# KiCad board klofi.kicad_pcb
title: Klofi; date: 2025-11-14; rev: 1; company: citizenanalog
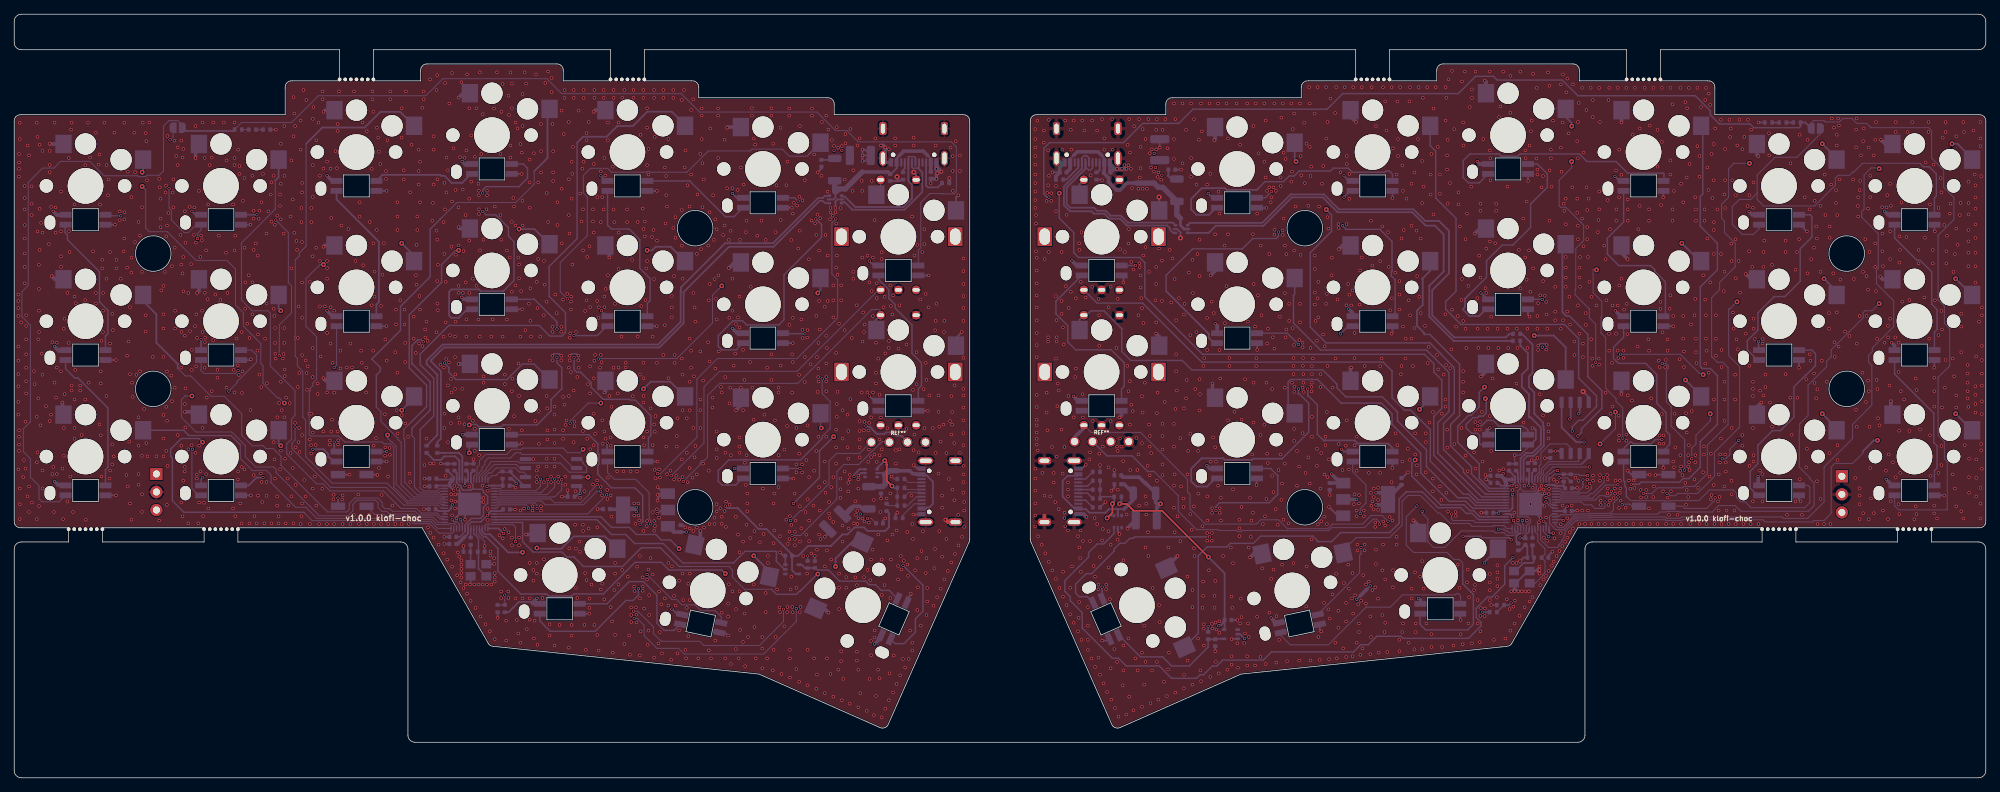
[diagram p0: board, top side]
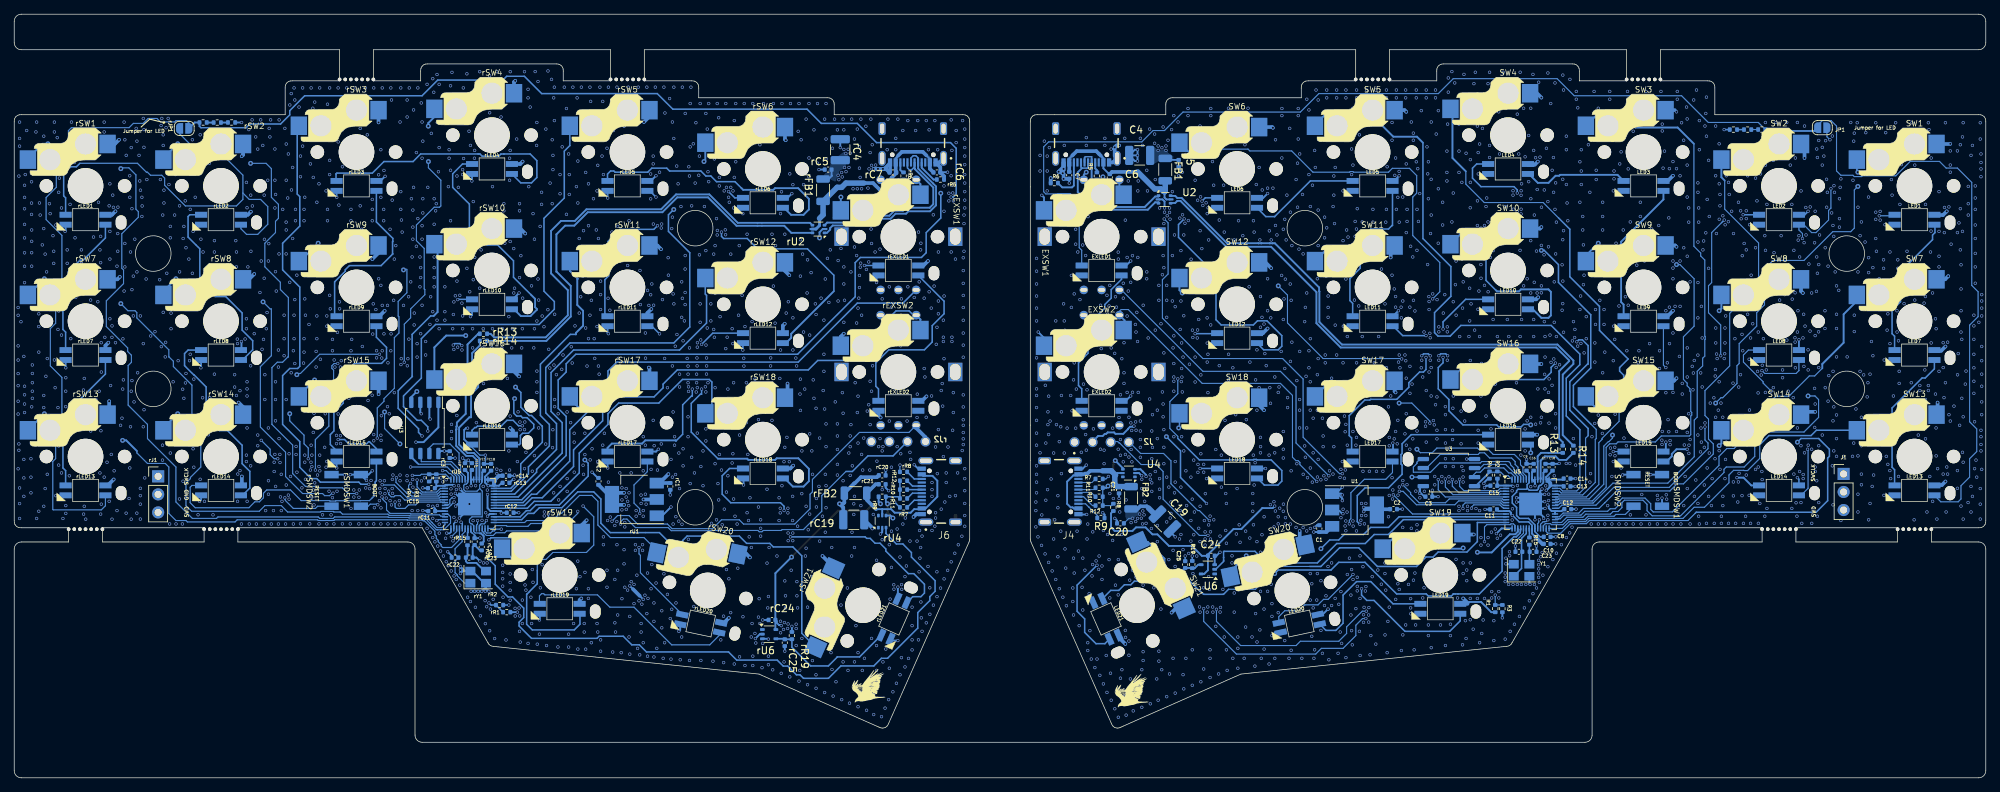
[diagram p1: board, bottom side, seen from below]

Outline 277.23 x 107.49 mm; copper layers: Front, In1.Cu, In2.Cu, Back. Coordinates in mm from the lower left corner of the outline.
Outline path: circle c19.55,73.8 r2.5 ; circle c19.55,54.75 r2.5 ; circle c95.75,77.37 r2.5 ; circle c95.75,38.08 r2.5 ; circle c181.48,77.37 r2.5 ; circle c181.48,38.08 r2.5 ; circle c257.68,73.8 r2.5 ; circle c257.68,54.75 r2.5 ; 0,92.35 0,36.2 ; 1,35.2 7.65,35.2 7.65,33.2 1,33.2 arc(0.29,32.91) 0,32.2 0,1 arc(0.29,0.29) 1,0 276.23,0 arc(276.93,0.29) 277.23,1 277.23,32.2 arc(276.93,32.91) 276.23,33.2 269.58,33.2 269.58,35.2 276.23,35.2 ; 38.1,97.11 38.1,93.35 1,93.35 ; 39.1,98.11 45.75,98.11 45.75,102.49 1,102.49 arc(0.29,102.79) 0,103.49 0,106.49 arc(0.29,107.2) 1,107.49 276.23,107.49 arc(276.93,107.2) 277.23,106.49 277.23,103.49 arc(276.93,102.79) 276.23,102.49 231.48,102.49 231.48,98.11 238.13,98.11 ; 57.15,99.49 57.15,98.11 50.5,98.11 50.5,102.49 83.85,102.49 83.85,98.11 77.2,98.11 77.2,99.49 ; 66.61,19 57.36,35.2 31.45,35.2 31.45,33.2 54.36,33.2 arc(55.07,32.91) 55.36,32.2 55.36,6 arc(55.65,5.29) 56.36,5 219.87,5 arc(220.57,5.29) 220.87,6 220.87,32.2 arc(221.16,32.91) 221.87,33.2 245.78,33.2 245.78,35.2 219.87,35.2 210.61,19 ; 67.38,18.51 104.73,14.6 121.62,7.12 ; 76.2,100.49 58.15,100.49 ; 95.25,98.11 88.6,98.11 88.6,102.49 188.63,102.49 188.63,98.11 181.98,98.11 ; 96.25,97.11 96.25,95.73 114.3,95.73 ; 115.3,94.73 115.3,93.35 133.35,93.35 ; 122.94,7.63 134.26,33.21 ; 134.35,92.35 134.35,33.61 ; 142.88,92.35 142.88,33.61 ; 143.88,93.35 161.93,93.35 161.93,94.73 ; 154.28,7.63 142.96,33.21 ; 162.93,95.73 180.98,95.73 180.98,97.11 ; 155.6,7.12 172.49,14.6 209.85,18.51 ; 200.03,99.49 200.03,98.11 193.38,98.11 193.38,102.49 226.73,102.49 226.73,98.11 220.08,98.11 220.08,99.49 ; 201.03,100.49 219.08,100.49 ; 239.13,97.11 239.13,93.35 276.23,93.35 ; 277.23,92.35 277.23,36.2 ; 12.4,35.2 12.4,33.2 26.7,33.2 26.7,35.2 12.4,35.2 ; 250.53,35.2 250.53,33.2 264.83,33.2 264.83,35.2 250.53,35.2
Stack: Front 0.035mm / dielectric 0.1mm FR4 er 4.5 / In1.Cu 0.035mm / dielectric 1.2402mm FR4 er 4.5 / In2.Cu 0.035mm / dielectric 0.1mm FR4 er 4.5 / Back 0.035mm

## Placement (name value [footprint] x y rotation side)
BT1  Breakaway Tabs  [Breakaway_Tabs]  48.13 98.31 0 top  (not fitted)
BT2  Breakaway Tabs  [Breakaway_Tabs]  86.23 98.31 0 top  (not fitted)
BT3  Breakaway Tabs  [Breakaway_Tabs]  10.03 35 0 top  (not fitted)
BT4  Breakaway Tabs  [Breakaway_Tabs]  29.08 35 0 top  (not fitted)
C1  10u  [C_0402_1005Metric]  93.71 35.08 90 bottom
C2  10u  [C_0402_1005Metric]  83.28 37.82 180 bottom
C3  1u  [C_0402_1005Metric]  78.31 39.58 180 bottom
C4  4u7  [C_1210_3225Metric]  118.98 87.62 0 bottom
C5  100n  [C_0402_1005Metric]  113.49 86.5 270 bottom
C6  10n  [C_0402_1005Metric]  123.18 84.5 270 bottom
C7  10n  [C_0402_1005Metric]  128.88 84.82 270 bottom
C8  100n  [C_0402_1005Metric]  61.68 33.92 180 bottom
C9  100n  [C_0402_1005Metric]  64.58 43.72 90 bottom
C10  100n  [C_0402_1005Metric]  61.68 32.92 180 bottom
C11  100n  [C_0402_1005Metric]  69.21 37.78 0 bottom
C12  100n  [C_0402_1005Metric]  58.78 37.82 180 bottom
C13  100n  [C_0402_1005Metric]  58.88 41.02 180 bottom
C14  100n  [C_0402_1005Metric]  58.88 42.12 180 bottom
C15  100n  [C_0402_1005Metric]  69.18 41.12 0 bottom
C16  100n  [C_0402_1005Metric]  63.58 43.72 90 bottom
C17  1u  [C_0402_1005Metric]  61.91 43.72 90 bottom
C18  1u  [C_0402_1005Metric]  60.91 43.72 90 bottom
C19  4u7  [C_1210_3225Metric]  115.43 36.07 225 bottom
C20  100n  [C_0402_1005Metric]  121.68 35.82 0 bottom
C21  10n  [C_0402_1005Metric]  121.88 40.52 270 bottom
C22  27p  [C_0402_1005Metric]  65.66 31.82 0 bottom
C23  27p  [C_0402_1005Metric]  63.66 31.82 180 bottom
C24  100n  [C_0402_1005Metric]  108.9 31.25 180 bottom
C25  560p  [C_0402_1005Metric]  112.58 30.02 90 bottom
EXLED1  -  [YS-SK6812MINI-E]  124.33 71.42 180 bottom
EXLED2  -  [YS-SK6812MINI-E]  124.33 52.37 180 bottom
EXSW1  RotaryEncoder_Switch  [keyswitch_choc12_hotswap_1u_rotary_encoder_ec12]  124.33 76.18 0 bottom
EXSW2  RotaryEncoder_Switch  [keyswitch_choc12_hotswap_1u_rotary_encoder_ec12]  124.33 57.13 0 bottom
FB1  33R  [L_1206_3216Metric]  115.38 85.62 90 bottom
FB2  33R  [L_1206_3216Metric]  120.18 39.42 270 bottom
G***  LOGO  [7bird]  120.19 11.89 172 bottom
G***#2  LOGO  [7bird]  157.18 12.57 172 bottom
J1  Conn_01x03  [PinHeader_1x03_P2.54mm_Vertical]  19.99 42.77 180 bottom
J2  Conn_01x04  [OLED]  124.32 47.25 0 top
J3  USB_C_Receptacle_USB2.0_14P  [2073-USB4105-GF-ACT-ND]  126.48 90.02 0 bottom
J4  USB_C_Receptacle_USB2.0_14P  [2073-USB4105-GF-ACT-ND]  130.98 40.32 270 bottom
J5  USB_C_Receptacle_USB2.0_14P  [2073-USB4105-GF-ACT-ND]  150.88 90.02 0 bottom
J6  USB_C_Receptacle_USB2.0_14P  [2073-USB4105-GF-ACT-ND]  146.23 40.32 90 bottom
JP1  SolderJumper_2_Bridged  [SolderJumper-2_P1.3mm_Open_RoundedPad1.0x1.5mm]  22.99 91.52 0 bottom  (not fitted)
LED1  -  [YS-SK6812MINI-E]  10.03 78.56 180 bottom
LED2  -  [YS-SK6812MINI-E]  29.08 78.56 180 bottom
LED3  -  [YS-SK6812MINI-E]  48.13 83.32 180 bottom
LED4  -  [YS-SK6812MINI-E]  67.18 85.7 180 bottom
LED5  -  [YS-SK6812MINI-E]  86.23 83.32 180 bottom
LED6  -  [YS-SK6812MINI-E]  105.28 80.94 180 bottom
LED7  -  [YS-SK6812MINI-E]  10.03 59.51 180 bottom
LED8  -  [YS-SK6812MINI-E]  29.08 59.51 180 bottom
LED9  -  [YS-SK6812MINI-E]  48.13 64.27 180 bottom
LED10  -  [YS-SK6812MINI-E]  67.18 66.65 180 bottom
LED11  -  [YS-SK6812MINI-E]  86.23 64.27 180 bottom
LED12  -  [YS-SK6812MINI-E]  105.28 61.89 180 bottom
LED13  -  [YS-SK6812MINI-E]  10.03 40.46 180 bottom
LED14  -  [YS-SK6812MINI-E]  29.08 40.46 180 bottom
LED15  -  [YS-SK6812MINI-E]  48.13 45.22 180 bottom
LED16  -  [YS-SK6812MINI-E]  67.18 47.6 180 bottom
LED17  -  [YS-SK6812MINI-E]  86.23 45.22 180 bottom
LED18  -  [YS-SK6812MINI-E]  105.28 42.84 180 bottom
LED19  -  [YS-SK6812MINI-E]  76.7 23.79 180 bottom
LED20  -  [YS-SK6812MINI-E]  96.53 21.72 168.1 bottom
LED21  -  [YS-SK6812MINI-E]  123.71 22.37 246.1 bottom
R1  5.6k  [R_0402_1005Metric]  68.98 23.82 90 bottom
R2  10k  [R_0402_1005Metric]  68.68 42.62 270 bottom
R3  10K  [R_0402_1005Metric]  67.98 23.82 270 bottom
R4  1k  [R_0402_1005Metric]  69.78 42.62 270 bottom
R5  5.1k  [R_0402_1005Metric]  124.99 84.72 90 bottom
R6  5.1k  [R_0402_1005Metric]  130.98 83.72 180 bottom
R7  5.1k  [R_0402_1005Metric]  124.68 42.07 0 bottom
R8  10k  [R_0402_1005Metric]  122.68 38.07 270 bottom
R9  5.1k  [R_0402_1005Metric]  124.43 36.57 0 bottom
R10  0  [R_0402_1005Metric]  124.68 39.57 180 bottom
R11  0  [R_0402_1005Metric]  124.68 40.82 0 bottom
R12  0  [R_0402_1005Metric]  124.68 38.32 0 bottom
R13  27  [R_0402_1005Metric]  59.49 46.25 270 bottom
R14  27  [R_0402_1005Metric]  57.99 46.25 270 bottom
R15  1k  [R_0402_1005Metric]  64.18 33.32 90 bottom
R16  10K  [R_0402_1005Metric]  31.5 91.26 0 bottom
R17  10K  [R_0402_1005Metric]  33.49 91.25 0 bottom
R18  10K  [R_0402_1005Metric]  35.49 91.25 0 bottom
R19  330  [R_0402_1005Metric]  111.58 30.02 90 bottom
rBT1  Breakaway Tabs  [Breakaway_Tabs]  229.1 98.31 0 top  (not fitted)
rBT2  Breakaway Tabs  [Breakaway_Tabs]  191 98.31 0 top  (not fitted)
rBT3  Breakaway Tabs  [Breakaway_Tabs]  267.2 35 0 top  (not fitted)
rBT4  Breakaway Tabs  [Breakaway_Tabs]  248.15 35 0 top  (not fitted)
rC1  10u  [C_0402_1005Metric]  184.98 41.02 270 bottom
rC2  10u  [C_0402_1005Metric]  195.08 41.73 90 bottom
rC3  1u  [C_0402_1005Metric]  215.99 45.5 270 bottom
rC4  4u7  [C_1210_3225Metric]  161.08 88.42 90 bottom
rC5  100n  [C_0402_1005Metric]  162.78 85.62 0 bottom
rC6  10n  [C_0402_1005Metric]  147.49 85.22 180 bottom
rC7  10n  [C_0402_1005Metric]  153.68 85.22 0 bottom
rC8  100n  [C_0402_1005Metric]  211.49 32.5 270 bottom
rC9  100n  [C_0402_1005Metric]  213.84 43.82 90 bottom
rC10  100n  [C_0402_1005Metric]  212.49 33.25 270 bottom
rC11  100n  [C_0402_1005Metric]  218.52 37.54 0 bottom
rC12  100n  [C_0402_1005Metric]  207.49 37.32 180 bottom
rC13  100n  [C_0402_1005Metric]  208.08 41.52 180 bottom
rC14  100n  [C_0402_1005Metric]  208.08 42.52 180 bottom
rC15  100n  [C_0402_1005Metric]  218.56 40.76 0 bottom
rC16  100n  [C_0402_1005Metric]  212.88 43.82 90 bottom
rC17  1u  [C_0402_1005Metric]  211.18 43.72 90 bottom
rC18  1u  [C_0402_1005Metric]  210.18 43.72 90 bottom
rC19  4u7  [C_1210_3225Metric]  159.18 36.32 180 bottom
rC20  100n  [C_0402_1005Metric]  155.18 42.57 180 bottom
rC21  10n  [C_0402_1005Metric]  155.18 41.32 180 bottom
rC22  27p  [C_0402_1005Metric]  215.24 31 0 bottom
rC23  27p  [C_0402_1005Metric]  213.24 31 180 bottom
rC24  100n  [C_0402_1005Metric]  170.68 22.22 0 bottom
rC25  560p  [C_0402_1005Metric]  168.88 19.02 270 bottom
rEXLED1  -  [YS-SK6812MINI-E]  152.9 71.42 180 bottom
rEXLED2  -  [YS-SK6812MINI-E]  152.9 52.37 180 bottom
rEXSW1  RotaryEncoder_Switch  [keyswitch_choc12_hotswap_1u_rotary_encoder_ec12]  152.9 76.18 0 bottom
rEXSW2  RotaryEncoder_Switch  [keyswitch_choc12_hotswap_1u_rotary_encoder_ec12]  152.9 57.13 0 bottom
rFB1  33R  [L_1206_3216Metric]  163.49 82.72 90 bottom
rFB2  33R  [L_1206_3216Metric]  158.93 40.07 0 bottom
rJ1  Conn_01x03  [PinHeader_1x03_P2.54mm_Vertical]  256.99 42.44 180 bottom
rJ2  Conn_01x04  [OLED]  152.9 47.33 0 top
rJP1  SolderJumper_2_Bridged  [SolderJumper-2_P1.3mm_Open_RoundedPad1.0x1.5mm]  253.33 91.42 180 bottom  (not fitted)
rLED1  -  [YS-SK6812MINI-E]  267.2 78.56 180 bottom
rLED2  -  [YS-SK6812MINI-E]  248.15 78.56 180 bottom
rLED3  -  [YS-SK6812MINI-E]  229.1 83.32 180 bottom
rLED4  -  [YS-SK6812MINI-E]  210.05 85.7 180 bottom
rLED5  -  [YS-SK6812MINI-E]  191 83.32 180 bottom
rLED6  -  [YS-SK6812MINI-E]  171.95 80.94 180 bottom
rLED7  -  [YS-SK6812MINI-E]  267.2 59.51 180 bottom
rLED8  -  [YS-SK6812MINI-E]  248.15 59.51 180 bottom
rLED9  -  [YS-SK6812MINI-E]  229.1 64.27 180 bottom
rLED10  -  [YS-SK6812MINI-E]  210.05 66.65 180 bottom
rLED11  -  [YS-SK6812MINI-E]  191 64.27 180 bottom
rLED12  -  [YS-SK6812MINI-E]  171.95 61.89 180 bottom
rLED13  -  [YS-SK6812MINI-E]  267.2 40.46 180 bottom
rLED14  -  [YS-SK6812MINI-E]  248.15 40.46 180 bottom
rLED15  -  [YS-SK6812MINI-E]  229.1 45.22 180 bottom
rLED16  -  [YS-SK6812MINI-E]  210.05 47.6 180 bottom
rLED17  -  [YS-SK6812MINI-E]  191 45.22 180 bottom
rLED18  -  [YS-SK6812MINI-E]  171.95 42.84 180 bottom
rLED19  -  [YS-SK6812MINI-E]  200.53 23.79 180 bottom
rLED20  -  [YS-SK6812MINI-E]  180.7 21.72 191.9 bottom
rLED21  -  [YS-SK6812MINI-E]  153.51 22.37 113.9 bottom
rR1  5.6k  [R_0402_1005Metric]  207.98 23.32 0 bottom
rR2  10K  [R_0402_1005Metric]  208.98 24.32 180 bottom
rR3  10k  [R_0402_1005Metric]  217.88 42.22 270 bottom
rR4  1k  [R_0402_1005Metric]  218.88 42.22 270 bottom
rR5  5.1k  [R_0402_1005Metric]  146.99 84.22 0 bottom
rR6  5.1k  [R_0402_1005Metric]  152.18 84.72 90 bottom
rR7  5.1k  [R_0402_1005Metric]  152.18 38.07 180 bottom
rR8  5.1k  [R_0402_1005Metric]  152.18 43.07 180 bottom
rR9  10k  [R_0402_1005Metric]  155.18 39.57 0 bottom
rR10  0  [R_0402_1005Metric]  152.18 40.57 0 bottom
rR11  0  [R_0402_1005Metric]  152.18 39.32 180 bottom
rR12  0  [R_0402_1005Metric]  152.18 41.82 180 bottom
rR13  27  [R_0402_1005Metric]  211.25 62.5 0 bottom
rR14  27  [R_0402_1005Metric]  211.25 61.5 0 bottom
rR15  1k  [R_0402_1005Metric]  213.49 33.25 90 bottom
rR16  10K  [R_0402_1005Metric]  250.67 92.25 180 bottom
rR17  10K  [R_0402_1005Metric]  248.68 92.24 180 bottom
rR18  10K  [R_0402_1005Metric]  246.67 92.25 180 bottom
rR19  330  [R_0402_1005Metric]  167.88 20.02 90 bottom
rSMDSW1  -  [TS-1088R-02026]  228.48 40.45 270 bottom
rSMDSW2  -  [TS-1088R-02026]  232.61 40.45 270 bottom
rSW1  SW_Push  [keyswitch_choc12_hotswap_1u]  267.2 83.32 0 bottom
rSW2  SW_Push  [keyswitch_choc12_hotswap_1u]  248.15 83.32 0 bottom
rSW3  SW_Push  [keyswitch_choc12_hotswap_1u]  229.1 88.09 0 bottom
rSW4  SW_Push  [keyswitch_choc12_hotswap_1u]  210.05 90.47 0 bottom
rSW5  SW_Push  [keyswitch_choc12_hotswap_1u]  191 88.09 0 bottom
rSW6  SW_Push  [keyswitch_choc12_hotswap_1u]  171.95 85.7 0 bottom
rSW7  SW_Push  [keyswitch_choc12_hotswap_1u]  267.2 64.27 0 bottom
rSW8  SW_Push  [keyswitch_choc12_hotswap_1u]  248.15 64.27 0 bottom
rSW9  SW_Push  [keyswitch_choc12_hotswap_1u]  229.1 69.04 0 bottom
rSW10  SW_Push  [keyswitch_choc12_hotswap_1u]  210.05 71.42 0 bottom
rSW11  SW_Push  [keyswitch_choc12_hotswap_1u]  191 69.04 0 bottom
rSW12  SW_Push  [keyswitch_choc12_hotswap_1u]  171.95 66.65 0 bottom
rSW13  SW_Push  [keyswitch_choc12_hotswap_1u]  267.2 45.22 0 bottom
rSW14  SW_Push  [keyswitch_choc12_hotswap_1u]  248.15 45.22 0 bottom
rSW15  SW_Push  [keyswitch_choc12_hotswap_1u]  229.1 49.99 0 bottom
rSW16  SW_Push  [keyswitch_choc12_hotswap_1u]  210.05 52.37 0 bottom
rSW17  SW_Push  [keyswitch_choc12_hotswap_1u]  191 49.99 0 bottom
rSW18  SW_Push  [keyswitch_choc12_hotswap_1u]  171.95 47.6 0 bottom
rSW19  SW_Push  [keyswitch_choc12_hotswap_1u]  200.53 28.55 0 bottom
rSW20  SW_Push  [keyswitch_choc12_hotswap_1u]  179.71 26.38 11.9 bottom
rSW21  SW_Push  [keyswitch_choc12_hotswap_1.5u]  157.87 24.3 293.9 bottom
rU1  NCP1117LPST33T3G  [SOT-223-3_TabPin2]  190.03 39.18 0 bottom
rU2  USBLC6-2P6  [SOT-666]  164.14 77.25 0 bottom
rU3  W25Q128JVSIQ  [SOIC-8_5.23x5.23mm_P1.27mm]  219.49 49.25 270 bottom
rU4  USBLC6-2P6  [SOT-666]  155.18 36.07 90 bottom
rU5  RP2040  [QFN-56-1EP_7x7mm_P0.4mm_EP3.2x3.2mm]  213.22 38.54 180 bottom
rU6  74LVC1G07  [SOT-353_SC-70-5]  171.08 20.22 180 bottom
rY1  12MHz 18pF  [Crystal_SMD_3225-4Pin_3.2x2.5mm]  211.99 28.25 180 bottom
SMDSW1  -  [TS-1088R-02026]  45.53 40.45 270 bottom
SMDSW2  -  [TS-1088R-02026]  49.54 40.45 270 bottom
SW1  SW_Push  [keyswitch_choc12_hotswap_1u]  10.03 83.32 0 bottom
SW2  SW_Push  [keyswitch_choc12_hotswap_1u]  29.08 83.32 0 bottom
SW3  SW_Push  [keyswitch_choc12_hotswap_1u]  48.13 88.09 0 bottom
SW4  SW_Push  [keyswitch_choc12_hotswap_1u]  67.18 90.47 0 bottom
SW5  SW_Push  [keyswitch_choc12_hotswap_1u]  86.23 88.09 0 bottom
SW6  SW_Push  [keyswitch_choc12_hotswap_1u]  105.28 85.7 0 bottom
SW7  SW_Push  [keyswitch_choc12_hotswap_1u]  10.03 64.27 0 bottom
SW8  SW_Push  [keyswitch_choc12_hotswap_1u]  29.08 64.27 0 bottom
SW9  SW_Push  [keyswitch_choc12_hotswap_1u]  48.13 69.04 0 bottom
SW10  SW_Push  [keyswitch_choc12_hotswap_1u]  67.18 71.42 0 bottom
SW11  SW_Push  [keyswitch_choc12_hotswap_1u]  86.23 69.04 0 bottom
SW12  SW_Push  [keyswitch_choc12_hotswap_1u]  105.28 66.65 0 bottom
SW13  SW_Push  [keyswitch_choc12_hotswap_1u]  10.03 45.22 0 bottom
SW14  SW_Push  [keyswitch_choc12_hotswap_1u]  29.08 45.22 0 bottom
SW15  SW_Push  [keyswitch_choc12_hotswap_1u]  48.13 49.99 0 bottom
SW16  SW_Push  [keyswitch_choc12_hotswap_1u]  67.18 52.37 0 bottom
SW17  SW_Push  [keyswitch_choc12_hotswap_1u]  86.23 49.99 0 bottom
SW18  SW_Push  [keyswitch_choc12_hotswap_1u]  105.28 47.6 0 bottom
SW19  SW_Push  [keyswitch_choc12_hotswap_1u]  76.7 28.55 0 bottom
SW20  SW_Push  [keyswitch_choc12_hotswap_1u]  97.51 26.38 348.1 bottom
SW21  SW_Push  [keyswitch_choc12_hotswap_1.5u]  119.36 24.3 66.1 bottom
U1  NCP1117LPST33T3G  [SOT-223-3_TabPin2]  88.77 37.7 180 bottom
U2  USBLC6-2P6  [SOT-666]  115.48 81.42 180 bottom
U3  W25Q128JVSIQ  [SOIC-8_5.23x5.23mm_P1.27mm]  75.49 42.96 0 bottom
U4  USBLC6-2P6  [SOT-666]  120.49 42.9 0 bottom
U5  RP2040  [QFN-56-1EP_7x7mm_P0.4mm_EP3.2x3.2mm]  64.01 38.54 180 bottom
U6  74LVC1G07  [SOT-353_SC-70-5]  109.38 29.35 0 bottom
Y1  12MHz 18pF  [Crystal_SMD_3225-4Pin_3.2x2.5mm]  65.28 29.22 180 bottom

## Library data of the parts
BT1-BT4 = -: ki_fp_filters: MountingHole*
C1-C3 C17 C18 C22 C23 = -: ki_fp_filters: C_*
C4 C19 rC4 rC19 = -: Description: Polarized capacitor; LCSC Part #: C2158392; Digikey#: 478-6642-1-ND; Manufacturer: KYOCERA AVX; Manufacturer Part #: TCJB475M035R0200; JLCPCB Part #: C2158392; ki_fp_filters: CP_*
C5 C20 C24 rC5 rC20 rC24 = -: Description: Unpolarized capacitor; LCSC Part #: C133086; Digikey#: 1276-1002-1-ND; Manufacturer: Samsung Electro-Mechanics; Manufacturer Part #: CL05B104KP5NNNC; JLCPCB Part #: C133086; ki_fp_filters: C_*
C6 C7 C21 rC6 rC7 rC21 = -: Description: VBUS : Rated 25V or Above; LCSC Part #: C77013; Digikey#: 490-1312-1-ND; Manufacturer: Murata Electronics; Manufacturer Part #: GRM155R71E103KA01D; JLCPCB Part #: C77013; ki_fp_filters: C_*
C8-C16 rC8-rC16 = -: JLCPCB Part #: C133086; LCSC Part #: C133086; ki_fp_filters: C_*
C25 rC25 = -: Description: Unpolarized capacitor; LCSC Part #: C76975; Digikey#: 490-3238-1-ND; Manufacturer: Murata Electronics; Manufacturer Part #: GRM1555C1H561JA01D; JLCPCB Part #: C76975; ki_fp_filters: C_*
EXLED1 EXLED2 LED1-LED21 rEXLED1 rEXLED2 rLED1-rLED21 = -: JLCPCB Part #: C5149201
EXSW1 EXSW2 = -: ki_fp_filters: RotaryEncoder*Switch*
FB1 FB2 rFB1 rFB2 = -: Datasheet: https://www.murata.com/en-us/products/productdata/8796739698718/ENFA0006.pdf; Description: Ferrite bead; LCSC Part #: C6750934; Manufacturer: Murata Electronics; Manufacturer Part #: BLM31PG330SN1L; JLCPCB Part #: C6750934; ki_fp_filters: Inductor_* L_* *Ferrite*
J1 J2 = -: ki_fp_filters: Connector*:*_1x??_*
J3-J6 = -: Datasheet: https://www.usb.org/sites/default/files/documents/usb_type-c.zip; Description: USB 2.0-only 14P Type-C Receptacle connector; LCSC Part #: C3020560; Digikey#: 2073-USB4105-GF-ACT-ND; Manufacturer: GCT; Manufacturer Part #: USB4105-GF-A; JLCPCB Part #: C3020560; ki_fp_filters: USB*C*Receptacle*
JP1 = -: ki_fp_filters: SolderJumper*Bridged*
R1 R3 R5-R7 R9-R14 R16-R18 = -: Description: Resistor, small symbol; ki_fp_filters: R_*
R2 R4 R8 R15 = -: ki_fp_filters: R_*
R19 rR19 = -: Description: Resistor; LCSC Part #: C105875; Digikey#: 311-330LRCT-ND; Manufacturer: YAGEO; Manufacturer Part #: RC0402FR-07330RL; JLCPCB Part #: C105875; ki_fp_filters: R_*
rBT1-rBT4 = -: JLCPCB Part #: DNP; ki_fp_filters: MountingHole*
rC1 rC2 = -: JLCPCB Part #: C15525; ki_fp_filters: C_*
rC3 rC17 rC18 = -: JLCPCB Part #: C14445; ki_fp_filters: C_*
rC22 rC23 = -: JLCPCB Part #: C107002; ki_fp_filters: C_*
rEXSW1 rEXSW2 = -: JLCPCB Part #: DNP; ki_fp_filters: RotaryEncoder*Switch*
rJ1 rJ2 = -: JLCPCB Part #: DNP; ki_fp_filters: Connector*:*_1x??_*
rJP1 = -: JLCPCB Part #: DNP; ki_fp_filters: SolderJumper*Bridged*
rR1 = -: Description: Resistor, small symbol; JLCPCB Part #: C25908; ki_fp_filters: R_*
rR2 rR16-rR18 = -: Description: Resistor, small symbol; JLCPCB Part #: C60489; ki_fp_filters: R_*
rR3 rR9 = -: JLCPCB Part #: C60489; ki_fp_filters: R_*
rR4 rR15 = -: JLCPCB Part #: C71623; ki_fp_filters: R_*
rR5-rR8 = -: Description: Resistor, small symbol; JLCPCB Part #: C105872; ki_fp_filters: R_*
rR10-rR12 = -: Description: Resistor, small symbol; JLCPCB Part #: C60485; ki_fp_filters: R_*
rR13 rR14 = -: Description: Resistor, small symbol; JLCPCB Part #: C138021; ki_fp_filters: R_*
rSMDSW1 rSMDSW2 SMDSW1 SMDSW2 = -: JLCPCB Part #: C455280; LCSC Part #: C455280
rSW1-rSW21 = -: JLCPCB Part #: DNP
rU1 U1 = -: Datasheet: http://www.onsemi.com/pub_link/Collateral/NCP1117-D.PDF; JLCPCB Part #: C146799; LCSC Part #: C146799; ki_fp_filters: SOT?223*TabPin2*
rU2 rU4 U2 U4 = -: Datasheet: https://www.st.com/resource/en/datasheet/usblc6-2.pdf; Description: Very low capacitance ESD protection diode, 2 data-line, SOT-666; LCSC Part #: C15999; Digikey#: 497-5026-2-ND; Manufacturer: STMicroelectronics; JLCPCB Part #: C15999; ki_fp_filters: SOT?666*
rU3 U3 = -: Datasheet: http://www.winbond.com/resource-files/w25q128jv_dtr%20revc%2003272018%20plus.pdf; JLCPCB Part #: C113767; LCSC Part #: C113767; ki_fp_filters: SOIC*5.23x5.23mm*P1.27mm*
rU5 U5 = -: Datasheet: https://datasheets.raspberrypi.com/rp2040/rp2040-datasheet.pdf; JLCPCB Part #: C2040; LCSC Part #: C2040; ki_fp_filters: QFN*1EP*7x7mm?P0.4mm*
rU6 U6 = -: Datasheet: https://www.ti.com/lit/ds/symlink/sn74lvc1g07.pdf; Description: Single Buffer Gate, Open Drain, Low-Voltage CMOS; LCSC Part #: C7830; Digikey#: 296-8486-1-ND; Manufacturer: Texas Instruments; Manufacturer Part #: SN74LVC1G07DCKR; JLCPCB Part #: C7830; ki_fp_filters: SOT?23* Texas?R-PDSO-G5?DCK* Texas?R-PDSO-N5?DRL* Texas?X2SON*0.8x0.8mm*P0.48mm*
rY1 Y1 = -: Description: 12MHz 18pF ±20ppm SMD3225-4P Crystals ROHS; JLCPCB Part #: C91749; MFR.Part #: Q22FA23V0041800; LCSC Part #: C91749; ki_fp_filters: Crystal*

## Footprints (pads in the part's own frame, mm; a bottom-side part is the same pattern mirrored in y, then rotated)
2073-USB4105-GF-ACT-ND
  round 0.65 hole 0.65 unplated: (-2.89,2.315) (2.89,2.315)
  rect 0.6x1.15 smd: A1(-3.2,3.39) A4(-2.4,3.39) B1(3.2,3.39) B4(2.4,3.39)
  rect 0.3x1.15 smd: A5(-1.25,3.39) A6(-0.25,3.39) A7(0.25,3.39) A8(1.25,3.39) B5(1.75,3.39) B6(0.75,3.39) B7(-0.75,3.39) B8(-1.75,3.39)
  oval 1x2.1 hole 0.6x1.7: S1(-4.32,2.815) S2(4.32,2.815)
  rrect 1x1.8 hole 0.6x1.4: S3(-4.32,-1.365) S4(4.32,-1.365)
Breakaway_Tabs
  round 0.5 hole 0.5 unplated: (-2.375,0) (-1.583,0) (-0.792,0) (0,0) (0.792,0) (1.583,0) (2.375,0)
C_0402_1005Metric
  rrect 0.56x0.62 smd: 1(-0.48,0) 2(0.48,0)
C_1210_3225Metric
  rrect 1.15x2.7 smd: 1(-1.475,0) 2(1.475,0)
Crystal_SMD_3225-4Pin_3.2x2.5mm
  rect 1.4x1.2 smd: 1(-1.1,-0.85) 2(1.1,-0.85) 3(1.1,0.85) 4(-1.1,0.85)
keyswitch_choc12_hotswap_1.5u
  round 1.9 hole 1.9 unplated: (-5.5,0) (5.5,0)
  oval 1.5x2 hole 1.5x2 unplated: (-5,5.15)
  round 3 hole 3 unplated: (0,-5.9) (5,-3.7)
  round 5 hole 5 unplated: (0,0)
  rect 2.3x2.6 smd: 1(8.1,-3.7) 2(-3.1,-5.9)
keyswitch_choc12_hotswap_1u
  round 1.9 hole 1.9 unplated: (-5.5,0) (5.5,0)
  oval 1.5x2 hole 1.5x2 unplated: (-5,5.15)
  round 3 hole 3 unplated: (0,-5.9) (5,-3.7)
  round 5 hole 5 unplated: (0,0)
  rect 2.3x2.6 smd: 1(8.1,-3.7) 2(-3.1,-5.9)
keyswitch_choc12_hotswap_1u_rotary_encoder_ec12
  rect 2x2.6 hole 1.5x2.3: (-8,0) (8,0)
  round 1.9 hole 1.9 unplated: (-5.5,0) (5.5,0)
  oval 1.5x2 hole 1.5x2 unplated: (-5,5.15)
  round 3 hole 3 unplated: (0,-5.9) (5,-3.7)
  round 5 hole 5 unplated: (0,0)
  round 1.2 hole 1x0.5: A(-2.5,7.5) B(2.5,7.5) C(0,7.5) S1(2.5,-8) S2(-2.5,-8)
  rect 2.3x2.6 smd: S1(8.1,-3.7) S2(-3.1,-5.9)
L_1206_3216Metric
  rrect 1.05x1.9 smd: 1(-1.575,0) 2(1.575,0)
OLED
  round 1.4 hole 1: 1(-3.81,0) 2(-1.27,0) 3(1.27,0) 4(3.81,0)
PinHeader_1x03_P2.54mm_Vertical
  rect 1.7x1.7 hole 1: 1(0,0)
  oval 1.7x1.7 hole 1: 2(0,-2.54) 3(0,-5.08)
QFN-56-1EP_7x7mm_P0.4mm_EP3.2x3.2mm
  rrect 1.29x1.29 smd: (-0.8,-0.8) (-0.8,0.8) (0.8,-0.8) (0.8,0.8)
  rrect 0.875x0.2 smd: 1(-3.438,2.6) 2(-3.438,2.2) 3(-3.438,1.8) 4(-3.438,1.4) 5(-3.438,1) 6(-3.438,0.6) 7(-3.438,0.2) 8(-3.438,-0.2) 9(-3.438,-0.6) 10(-3.438,-1) 11(-3.438,-1.4) 12(-3.438,-1.8) 13(-3.438,-2.2) 14(-3.438,-2.6) 29(3.438,-2.6) 30(3.438,-2.2) 31(3.438,-1.8) 32(3.438,-1.4) 33(3.438,-1) 34(3.438,-0.6) 35(3.438,-0.2) 36(3.438,0.2) 37(3.438,0.6) 38(3.438,1) 39(3.438,1.4) 40(3.438,1.8) 41(3.438,2.2) 42(3.438,2.6)
  rrect 0.2x0.875 smd: 15(-2.6,-3.438) 16(-2.2,-3.438) 17(-1.8,-3.438) 18(-1.4,-3.438) 19(-1,-3.438) 20(-0.6,-3.438) 21(-0.2,-3.438) 22(0.2,-3.438) 23(0.6,-3.438) 24(1,-3.438) 25(1.4,-3.438) 26(1.8,-3.438) 27(2.2,-3.438) 28(2.6,-3.438) 43(2.6,3.438) 44(2.2,3.438) 45(1.8,3.438) 46(1.4,3.438) 47(1,3.438) 48(0.6,3.438) 49(0.2,3.438) 50(-0.2,3.438) 51(-0.6,3.438) 52(-1,3.438) 53(-1.4,3.438) 54(-1.8,3.438) 55(-2.2,3.438) 56(-2.6,3.438)